# KiCad board sample018-programmable-led-panel.kicad_pcb (continued)
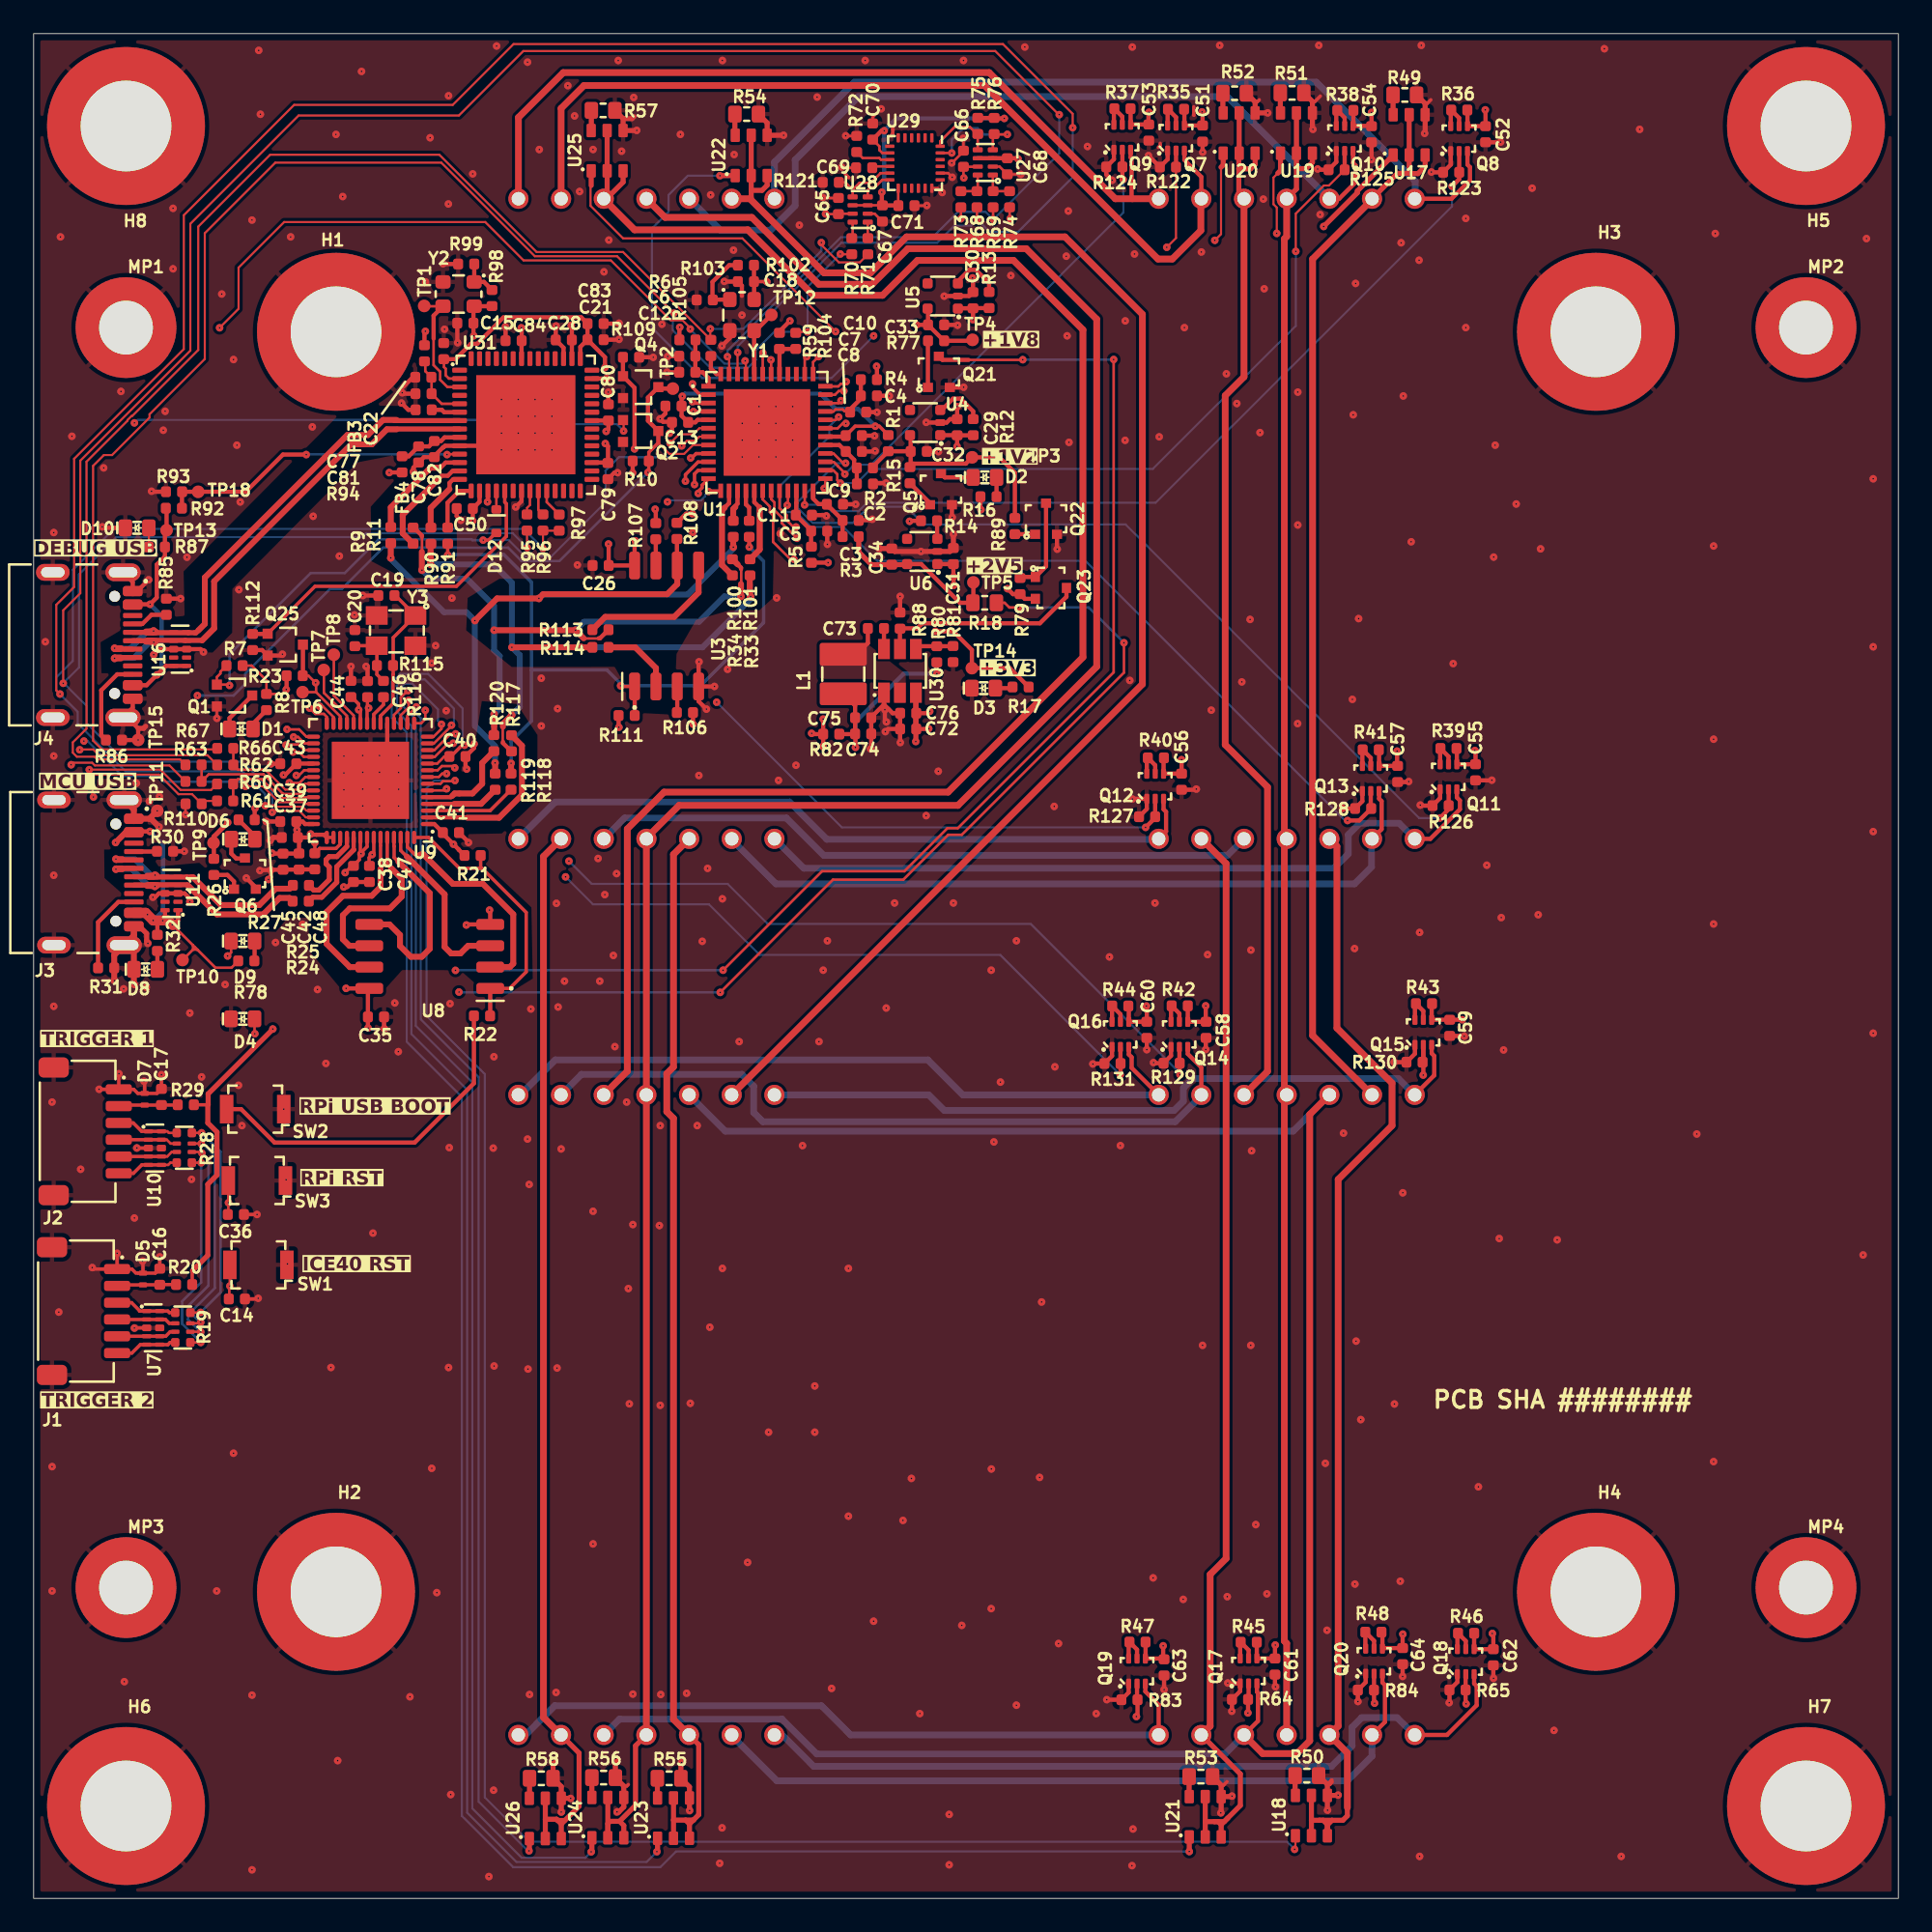
[diagram p0: board, top side]
## Routing (per net, layer and track width the routed paths; a pad name or vN(x,y) marks a point on that pad's centre or on a via; arc(x,y) is an arc through that point) (continued)
/FPGA/VPP_2V5: length 3.7
  Top w0.25: C3.2 R3.2 ; 47.22,83 46.72,83 46.4,83.32 U1.24 ; 48.16,82.04 47.22,82.97
/FPGA/~{FPGA_RESET}: length 81.4
  Top w0.125: U1.8 39.25,86.51 38.72,85.98 37.85,85.98 37.19,86.64
  Top w0.15: 11.65,35.68 11.65,36.42 v1(11.68,36.45) SW1.2
  Top w0.2: 37.19,86.64 36.62,86.08 R10.1 36.62,84.93 v1(36.57,84.88)
  Top w0.25: TP2.1 37.27,89.87 ; 37.19,86.64 Q2.3 36.57,87.96 36.57,89.34 Q4.3
  In3.Cu w0.15: v1(9.75,71.6) 9.75,54.26 11.15,52.86 11.15,36.98 v1(11.68,36.45)
  Bottom w0.15: v1(9.75,71.6) 11.9,71.6 12.6,72.3 12.6,72.9 17.65,77.95 18.35,77.95 20.8,80.4 28.25,80.4 29.04,79.61 31.3,79.61 v1(36.57,84.88)
/IMU/ICM_AD0: length 2.2
  Top w0.15: R72.1 49.35,103.59 50.34,103.59 50.44,103.5 50.97,103.5
/IMU/ICM_FSYNC_1V8: length 4.1
  Top w0.15: 48.75,101.71 49.16,102.12 49.84,102.12 50.41,102.69 50.41,102.69 U29.11 ; 48.75,101.71 48.31,102.15 R121.2 ; 48.75,101.71 U28.5
/IMU/ICM_FSYNC_R: length 0.9
  Top w0.15: U28.8 48.75,98.88
/IMU/ICM_INT1_1V8: length 2
  Top w0.15: U28.4 49.65,101.68 49.81,101.84 50.07,101.84 50.52,102.29 U29.12
/IMU/ICM_INT1_R: length 0.9
  Top w0.15: U28.1 49.65,98.83
/IMU/ICM_SCL: length 1.9
  Top w0.15: U27.1 57.1,101.64 ; R69.2 58.09,101.62
/IMU/ICM_SCL_1V8: length 6.8
  Top w0.15: 53.97,103.9 54.65,103.9 v1(54.65,103.89) ; v1(57.96,105) 57.19,105 ; U27.4 57.1,104.94
  Bottom w0.15: v1(54.65,103.89) 54.65,104.68 55.33,105.36 56.19,105.36 56.55,105 v1(57.96,105)
/IMU/ICM_SDA: length 1.9
  Top w0.15: R68.2 55.2,101.62 ; U27.8 56.2,101.67
/IMU/ICM_SDA_1V8: length 3.9
  Top w0.15: 56.15,105.03 55.73,105.44 54.82,105.44 53.97,104.59 U29.24 ; U27.5 56.2,105.02
/IMU/REGOUT: length 1
  Top w0.15: U29.10 50,103.09
/LED Matrix/ColumnDrive1: length 64.4
  Top w0.3: U12.13 81.18,102.68 81.88,102.68 ; 81.88,102.68 U17.2 U17.5 ; 81.88,102.68 81.89,102.67 82.4,102.67 82.83,103.1 U17.3
  Top w0.4: U13.13 76.13,51.37 76.13,97.58 79.67,101.12
/LED Matrix/ColumnDrive2: length 68.2
  Top w0.3: 76.06,4.65 U18.2 ; 76.06,4.65 U18.5 ; 76.06,4.65 76.53,4.65 ; 76.53,4.65 77.29,4.65 ; 76.53,4.65 76.76,4.65 77.01,4.4 77.01,4.17 ; 77.29,4.65 77.01,4.37 77.01,4.17 ; 77.29,4.65 77.93,4.65 78.2,4.92 78.2,5.41 ; 77.01,4.17 U18.3
  Top w0.4: U12.3 77.58,62.62 77.58,51.81 80.86,48.53 80.86,46 77.65,42.8 77.65,10.25 U13.3 78.2,8.66 78.2,5.41
/LED Matrix/ColumnDrive3: length 98.6
  Top w0.3: U19.5 U19.2 75.17,102.96 ; U12.11 75.17,101.75 75.17,102.96 ; 75.17,102.96 75.74,102.96 76.12,103.34 U19.3
  Top w0.4: U13.4 74.59,15.18 74.45,15.32 74.45,98.78 74.59,98.92 U12.11
/LED Matrix/ColumnDrive4: length 61.9
  Top w0.3: 71.74,102.95 71.74,101.48 ; 71.74,102.95 72.44,102.95 72.71,103.22 U20.3 ; 71.74,102.95 71.74,103.86 ; U20.5 U20.2
  Top w0.4: U13.10 73.45,49.23 73.45,66.15 70.93,68.67 70.93,89.45 72.05,90.57 U12.10
/LED Matrix/ColumnDrive5: length 66.4
  Top w0.3: 70.29,4.57 70.87,4.57 71.09,4.78 ; 70.29,4.57 69.74,4.57 ; 70.29,4.57 70.51,4.57 70.69,4.39 ; 71.09,4.78 71.83,5.53 71.83,7.41 U13.6 ; 71.09,4.78 70.69,4.39 ; 70.69,4.39 U21.3 ; U21.5 69.74,4.57 ; 69.74,4.57 U21.2
  Top w0.4: U12.6 70.98,61.59 70.98,20.23 70.03,19.28 70.03,10.25 U13.6
/LED Matrix/ColumnDrive6: length 91.1
  Top w0.3: 42.64,101.17 42.71,101.25 42.71,101.67 ; 42.71,101.67 43.36,101.67 43.66,101.97 U22.3 ; 42.71,101.67 U22.2 U22.5
  Top w0.4: U15.13 66,72.28 66,94.29 61.39,98.9 51.96,98.9 49.82,96.76 47.05,96.76 42.64,101.17 U14.13
/LED Matrix/ColumnDrive7: length 65
  Top w0.3: U23.3 39.04,4.43 ; 39.04,4.43 39.29,4.69 ; 39.04,4.43 38.81,4.66 ; 39.29,4.69 39.27,4.66 38.81,4.66 ; 39.29,4.69 39.59,4.98 39.59,9.15 U15.3 ; 38.09,4.66 U23.2 ; 38.09,4.66 U23.5 ; 38.09,4.66 38.81,4.66
  Top w0.4: U15.3 38.09,10.66 38.09,46.43 37.69,46.83 37.69,49.09 38.09,49.49 38.09,62.14 U14.3
/LED Matrix/ColumnDrive8: length 147.6
  Top w0.3: U24.3 35.13,4.34 34.88,4.59 ; 34.88,4.59 35.83,5.54 35.83,9.09 U15.4 ; 34.88,4.59 34.22,4.59 34.22,4.49 34.18,4.45 U24.2 U24.5
  Top w0.4: U15.4 36.47,63.11 38.42,65.06 55.02,65.06 63.28,73.32 63.28,94 59.08,98.2 52.04,98.2 49.92,96.08 46.73,96.08 42.75,100.06 37.59,100.06 U14.11
/LED Matrix/ColumnDrive9: length 106.7
  Top w0.3: U25.5 U25.2 34.14,101.37 ; 34.1,101.17 35.09,102.16 U25.3
  Top w0.4: U14.10 33.94,101.15 35.77,99.32 42.51,99.32 46.41,95.42 50.53,95.42 52.61,97.5 58.33,97.5 62.46,93.37 62.46,73.88 54.43,65.85 37.53,65.85 35.34,63.66 35.34,49.24 U15.10
/LED Matrix/ColumnDrive10: length 65.2
  Top w0.3: 31.41,4.43 31.13,4.71 ; 31.41,4.43 32.47,5.49 32.47,8.65 U15.6 ; 31.41,4.43 U26.3 ; 31.13,4.71 30.46,4.71 ; 31.13,4.71 31.2,4.64 31.62,4.64 ; 30.46,4.71 U26.5 ; 30.46,4.71 U26.2
  Top w0.4: U14.6 30.35,62.02 30.35,10.77 U15.6
/LED Matrix/RowDrive1: length 54.1
  Top w0.25: U12.9 69.51,102.47 68.5,103.48 Q7.3
  Top w0.4: 69.48,101.14 69.48,99.28 67.78,97.58 66.93,97.58 56.6,107.91 32.76,107.91 31.4,106.55 U14.9
/LED Matrix/RowDrive2: length 51.4
  Top w0.25: U12.14 84.4,101.17 85.5,102.27 85.5,103.05 85.35,103.2 85.35,104
  Bottom w0.4: U14.14 44.1,103.35 48.86,108.11 76.35,108.11 82.24,102.22 82.24,101.14
/LED Matrix/RowDrive3: length 50.1
  Top w0.25: 65.3,104.08 65.3,103.63 65.35,103.57 65.35,101.22 65.4,101.17
  Top w0.4: U12.8 64.39,101.17 56.88,108.68 31.53,108.68 28.86,106.01 U14.8
/LED Matrix/RowDrive4: length 130.7
  Top w0.25: U12.12 77.71,101.17 78.69,102.15 78.69,103.15 78.54,103.3 Q10.3
  In3.Cu w0.4: U12.5 77.58,68.6 77.58,100.72 U12.12
  Bottom w0.4: U12.12 71.04,107.25 49.1,107.25 45.33,103.48 45.33,100.76 43.87,99.3 40.89,99.3 U14.12 ; U14.5 35.18,64.31 44.81,64.31 47.03,62.09 71.07,62.09 U12.5
/LED Matrix/RowDrive5: length 45.7
  Top w0.25: Q11.3 84.72,65.53 84.9,65.35 84.9,64.83 83.14,63.07 U12.1
  Bottom w0.4: U12.1 81.28,64 78.94,64 78.25,63.31 78.25,62.18 77.4,61.32 45.85,61.32 U14.1
/LED Matrix/RowDrive6: length 42.6
  Top w0.25: Q12.3 67.26,64.83 67.41,64.68 67.41,63.51 U12.7
  Bottom w0.4: U14.7 31.05,65.26 45,65.26 47.22,63.04 67,63.04
/LED Matrix/RowDrive7: length 44.2
  Top w0.25: 80.09,65.91 80.09,65.46 80.24,65.31 80.24,63.64 U12.2
  Bottom w0.4: U14.2 41.56,63.02 44.19,60.39 78.63,60.39 79.64,61.4 79.64,62.82
/LED Matrix/RowDrive8: length 44.5
  Top w0.25: U13.9 69.51,49.46 68.7,50.27 Q14.3
  Bottom w0.4: U15.9 32.61,49.05 42.16,49.05 42.87,48.34 42.87,46.78 43.41,46.23 67.96,46.23 69.51,47.78
/LED Matrix/RowDrive9: length 43.7
  Top w0.25: U13.14 83.37,48.99 83.37,50.15 83.22,50.3 83.22,50.8
  Bottom w0.4: U15.14 53.28,47.83 54.21,46.9 67.89,46.9 68.44,47.46 68.44,48.24 69,48.8 81.24,48.8 U13.14
/LED Matrix/RowDrive10: length 43.3
  Top w0.25: 65.19,50.68 65.19,50.24 65.36,50.07 65.36,49.44 U13.8
  Bottom w0.4: U13.8 55.31,47.83 53.23,49.91 31.05,49.91 28.97,47.83
/LED Matrix/RowDrive11: length 126.8
  Top w0.25: Q17.3 72.82,12.29 72.88,12.23 72.88,10.56 U13.5
  Top w0.4: U13.12 75.96,46.66 75.96,9.38 75.2,8.62 73.16,8.62 U13.5
  Bottom w0.4: U13.12 74.97,45.67 41.17,45.67 U15.12 ; U15.5 34.87,10.67 44.55,10.67 46.62,8.6 70.92,8.6 72.07,9.75
/LED Matrix/RowDrive12: length 47.1
  Top w0.25: Q18.3 85.75,12.79 85.9,12.64 85.9,11.5 84.13,9.73 U13.1
  Bottom w0.4: 44.54,9.75 46.43,7.86 77.26,7.86 78.48,9.08 78.48,10.19 79.05,10.76 81.16,10.76 82.19,9.73 U13.1
/LED Matrix/RowDrive13: length 42.9
  Top w0.25: U13.7 66.97,11.52 66.18,12.31 66.18,12.78
  Bottom w0.4: U15.7 29.28,9.73 31.02,11.47 46.89,11.47 48.63,9.73 U13.7
/LED Matrix/RowDrive14: length 45
  Top w0.25: Q20.3 80.29,12.85 80.44,12.7 80.44,10.5 U13.2
  Bottom w0.4: 79.67,9.53 79.67,8.47 78.2,7 44.24,7 41.55,9.69 U15.2
/MCU/BOOTSEL: length 21
  Top w0.25: R22.1 26.21,48.52 22.68,44.99 14.34,44.99 12.35,46.98 SW2.2
/MCU/GPIO24: length 6.5
  Top w0.125: U9.36 16.15,66.35 15.8,66 14.98,66 14.02,66.96
  Top w0.15: 14.02,66.96 13.79,67.19 12.17,67.19 R62.1 R66.2
/MCU/GPIO25: length 8.4
  Top w0.125: U9.37 16.1,65.95 15.9,65.75 14.84,65.75
  Top w0.15: R67.2 R63.1 10.43,66.91 13.68,66.91 14.83,65.76 14.84,65.76
/MCU/GPIO26: length 6.4
  Top w0.125: 13.75,66.46 14.7,65.5 16.05,65.5 16.1,65.55 U9.38
  Top w0.15: 13.75,66.46 13.58,66.62 12.16,66.62 R60.1 R61.2
/MCU/MCU_RST: length 46.9
  Top w0.15: R23.2 16.36,72.78 16.82,72.32 16.82,72.32 16.82,71.8 ; U9.26 18.25,70.37 16.82,71.8 ; 11.59,42.73 11.59,40.72 ; v1(11.6,41.41) 11.6,42.72 ; 16.82,71.8 TP6.1
  Top w0.25: Q25.3 16.03,72.79
  In3.Cu w0.15: v1(16.79,72.36) 16.42,72.36 15.21,71.15 10.87,71.15 10.3,70.58 10.3,54.36 11.59,53.07 11.59,41.42 v1(11.6,41.41)
/MCU/QSPI_CSn: length 17
  Top w0.2: 26.6,61.31 25.34,61.31 23.51,63.15 U9.56 ; 26.6,61.31 26.69,61.31 29.32,58.69 29.32,55.15 28.34,54.16 U8.1 ; 26.6,61.31 26.61,61.32 R21.2
  Top w0.25: U8.1 27.18,52.54
/MCU/QSPI_SCLK: length 12.1
  Top w0.2: 21.27,61.34 21.05,61.56 U9.52
  Top w0.254: 21.91,60.28 21.91,60.7
  Top w0.3: 21.91,59.63 21.91,60.28
  Top w0.35: U8.6 18.8,56.7 18.41,57.09 18.41,58.52 18.82,58.93 21.21,58.93 21.91,59.63 21.91,60.7 21.27,61.34
/MCU/QSPI_SD0: length 15.1
  Top w0.2: 21.72,61.71 21.46,61.96 21.46,62.62 21.45,62.63 U9.53
  Top w0.25: 22.5,60.92 21.72,61.71
  Top w0.3: 22.5,60.92 23.58,59.84
  Top w0.35: 21.72,61.71 23.58,59.84 23.58,56.52 23.11,56.05 22.45,56.05 21.81,56.69 21.81,57.35 21.19,57.97 U8.5
/MCU/QSPI_SD1: length 15.4
  Top w0.2: 23.2,62.14 23.4,61.94 ; 23.03,62.14 22.69,62.14 22.25,62.58 U9.55
  Top w0.3: 24.95,60.39 23.4,61.94
  Top w0.35: 23.03,62.14 23.2,62.14 24.95,60.39 26.74,60.39 28.55,58.58 28.55,55.64 28.34,55.44 U8.2
/MCU/QSPI_SD2: length 13.8
  Top w0.2: 22.21,62.01 21.85,62.38 U9.54
  Top w0.25: 22.85,61.37 22.21,62.01
  Top w0.3: 22.85,61.37 24.46,59.76
  Top w0.35: 22.21,62.01 24.46,59.76 24.46,56.64 24.85,56.25 25.41,56.25 25.86,56.7 U8.3
/MCU/QSPI_SD3: length 11.8
  Top w0.2: 20.65,61.28 U9.51
  Top w0.35: U8.7 18.82,55.44 17.44,56.82 17.44,58.71 18.41,59.68 20.13,59.68 20.65,60.2 20.65,61.28
/MCU/SWCLK: length 4.6
  Top w0.15: TP8.1 17.87,71.59 19.05,70.41 U9.24
/MCU/SWDIO: length 3.7
  Top w0.15: U9.25 18.65,70.39 17.28,71.76 17.28,73.11
/MCU/USB.D+: length 15.6
  Top w0.3: v1(4.9,61.26) 4.95,61.31 5.98,61.31 ; 5.98,60.32 6.84,60.32 6.86,60.34 7.18,60.34 ; 7.18,60.34 7.18,60.26 ; 7.18,60.34 9.11,60.34
  Top w0.35: R24.1 15.23,59.55 14.64,59.55 13.66,58.57 10.92,58.57 9.18,60.31
  Top w0.4: 6.99,60.29 7.34,60.29 ; 5.27,61.29 4.93,61.29 v1(4.9,61.26) ; 6.77,60.29 7.12,60.29
  Bottom w0.35: v1(7.22,60.23) 7.16,60.29 6.81,60.29 5.82,61.29 4.92,61.29 v1(4.9,61.26)
/MCU/USB.D-: length 15.6
  Top w0.3: 5.98,61.81 4.95,61.81 v1(4.9,61.87) ; 9.48,60.79 9.38,60.79 9.38,60.79 9.11,60.79 9.11,60.79 6.86,60.79 6.84,60.82 5.98,60.82
  Top w0.35: 9.48,60.79 11.14,59.13 13.44,59.13 14.41,60.1 15.23,60.1 R25.1
  Top w0.4: 6.99,60.85 7.34,60.85 ; 6.77,60.85 7.12,60.85 ; 5.27,61.84 4.93,61.84 v1(4.9,61.87)
  Bottom w0.35: v1(7.23,60.91) 7.16,60.84 7.04,60.84 6.05,61.84 4.92,61.84 v1(4.9,61.87)
/MCU/USB_D+: length 5.2
  Top w0.25: 19.05,62.42 U9.47
  Top w0.3: 19.05,62.42 19.05,62.41 18.04,61.41 18.04,60.48 17.16,59.59 16.62,59.59 R24.2
/MCU/USB_D-: length 5
  Top w0.25: U9.46 18.65,62.61
  Top w0.3: 18.65,62.61 18.05,62.01 17.59,62.01 17.41,61.83 17.41,61.58 17.6,61.39 17.6,60.64 16.98,60.02 16.67,60.02 R25.2
/MCU/XIN: length 9
  Top w0.2: 21.54,77.55 Y3.1 21.4,75.04 21.4,72.86 21.4,72.85 21.4,71.13 20.65,70.39 U9.20
/MCU/XOUT: length 1.8
  Top w0.2: U9.21 20.25,70.48 20.82,71.06 20.82,71.5
/MCU/XOUT_R: length 3.5
  Top w0.2: R116.1 20.44,72.85 R115.2 20.44,74.55 ; Y3.3 19.16,74.56
/Supply/FB_3V3: length 2
  Top w0.25: 52.69,74.53 R80.1 54.72,74.53
/Supply/OUT_3V3: length 12.6
  Top w0.25: v1(48.92,68.51) 48.92,69.3 ; C74.2 C75.2 48.9,71 L1.2 ; R80.2 53.76,72.91 v1(53.77,72.9) ; R82.1 48.88,69.3
  Bottom w0.25: v1(48.92,68.51) 48.92,70.03 51.79,72.9 v1(53.77,72.9)
/Supply/SW_3V3: length 1.8
  Top w0.25: 48.99,74.05 49.66,74.72 C73.2
/Trigger Connector 1/CAM_TRIG: length 3.7
  Top w0.2: J1.3 5.83,35.46 6.31,34.98 6.31,34.96 U7.1 U7.10 7.99,34.96 8.08,34.87 R19.1
/Trigger Connector 1/EXT_TRIG1: length 3.6
  Top w0.2: R19.3 8.13,33.73 7.86,33.46 U7.7 U7.4 4.97,33.46
/Trigger Connector 1/EXT_TRIG2: length 3.7
  Top w0.2: J1.6 5.85,32.46 6.35,32.96 U7.5 U7.6 7.99,32.96 7.99,32.96 8.12,33.09 R19.4
/Trigger Connector 1/LED_TRIG: length 3.6
  Top w0.2: R19.2 8.08,34.23 7.85,34.46 U7.9 U7.2 J1.4
/Trigger Connector 2/CAM_TRIG: length 3.7
  Top w0.15: 8.48,45.57 8.05,45.57 7.96,45.66 U10.10
  Top w0.2: J2.3 5.93,46.16 6.43,45.66 U10.1 U10.10
/Trigger Connector 2/EXT_TRIG1: length 3.5
  Top w0.15: U10.7 7.95,44.16 8.22,44.43 8.48,44.43
  Top w0.2: U10.7 U10.4 5.07,44.16
/Trigger Connector 2/EXT_TRIG2: length 3.7
  Top w0.15: U10.6 8.01,43.66 8.14,43.79 R28.4
  Top w0.2: J2.6 5.94,43.16 6.44,43.66 U10.5 U10.6
/Trigger Connector 2/LED_TRIG: length 3.5
  Top w0.15: U10.9 7.93,45.16 8.16,44.93 8.48,44.93
  Top w0.2: U10.9 U10.2 J2.4
/USB/CC_{1}: length 1.4
  Top w0.25: J3.A5 7.33,62.31
/USB/CC_{2}: length 5.3
  Top w0.25: 5.97,59.31 5.05,59.31 3.84,58.11 R31.1
/USB_FTDI/ADBUS0: length 6.4
  Top w0.25: U31.12 24.53,85.47 24.22,85.16 24.16,85.16
  Top w0.35: R9.1 21.26,82.8 23.62,85.16 24.16,85.16
/USB_FTDI/ADBUS1: length 6.4
  Top w0.25: 23.99,84.38 24,84.38 24.3,84.68 24.65,84.68 24.94,84.97 U31.13
  Top w0.35: 23.99,84.38 21.97,82.36 21.97,81.25 R11.1
/USB_FTDI/ADBUS2: length 3.8
  Top w0.25: U31.14 24.97,84.47 24.75,84.25 24.75,83.88
  Top w0.35: 24.75,83.88 23.63,82.76 23.63,81.64
/USB_FTDI/ADBUS3: length 3.2
  Top w0.25: U31.15 25.34,83.78 24.64,83.07 24.64,81.61
/USB_FTDI/ADBUS4: length 16.5
  Top w0.25: v1(35.77,86.28) 35.77,89.92 35.08,90.6 ; 35.08,91.74 35.08,90.61 ; v1(27.02,83.12) 27.04,83.15 U31.17
  In3.Cu w0.15: v1(35.77,86.28) 35,86.28 34.69,85.97 33.07,85.97 31.16,84.06 27.96,84.06 v1(27.02,83.12)
/USB_FTDI/ADBUS5: length 1.1
  Top w0.15: D12.1 27.55,83.78
/USB_FTDI/ADBUS6: length 20.2
  Top w0.2: U31.19 28.04,83.11 28.14,83.01 28.14,81.07 25.17,78.1 16.75,78.1 Q25.1
  Top w0.25: R112.2 13.91,75.26
/USB_FTDI/BDBUS0: length 1.5
  Top w0.125: 29.54,82.94 29.37,82.77 R95.1
  Top w0.15: 29.54,82.94 U31.22
/USB_FTDI/BDBUS1: length 1.5
  Top w0.15: U31.23 30.04,82.66 R96.1
/USB_FTDI/BDBUS2: length 1.7
  Top w0.15: U31.24 30.54,83.11 R97.1
/USB_FTDI/CC_{1}: length 2.2
  Top w0.25: R85.1 7.02,76.4 6.47,75.86 J4.A5
/USB_FTDI/CC_{2}: length 5.3
  Top w0.25: R86.1 4.03,69.23 4.03,71.91 4.98,72.86 J4.B5
/USB_FTDI/FTDI_D_N: length 31.5
  Top w0.3: 7.1,75.34 7.1,75.41 ; 7.1,75.34 6.78,75.34 6.76,75.36 J4.B7 ; 7.1,75.34 9.21,75.34 9.21,75.34 9.67,75.34 9.81,75.48 ; 25.36,87.97 21.46,87.97 ; v1(4.82,74.42) 4.88,74.36 J4.A7
  Top w0.35: 21.61,88 20.8,88 19.91,87.11 18.68,87.11 10.19,78.62 10.19,75.86 9.81,75.48
  Top w0.4: 6.91,75.38 7.26,75.38 ; 6.69,75.38 7.04,75.38 ; 5.19,74.39 4.85,74.39 v1(4.82,74.42)
  Bottom w0.35: v1(7.14,75.44) 7.09,75.39 6.74,75.39 5.74,74.39 4.85,74.39 v1(4.82,74.42)
/USB_FTDI/FTDI_D_P: length 31.2
  Top w0.3: 10.03,74.88 10.03,74.88 9.04,74.88 9.03,74.88 6.78,74.88 6.76,74.86 J4.A6 ; U31.8 21.67,87.47 ; J4.B6 4.87,73.86 v1(4.82,73.81)
  Top w0.35: 10.03,74.88 10.75,75.6 10.75,78.4 18.9,86.55 20.13,86.55 21.03,87.45 21.61,87.45
  Top w0.4: 5.19,73.84 4.85,73.84 v1(4.82,73.81) ; 6.69,74.83 7.04,74.83 ; 6.91,74.83 7.26,74.83
  Bottom w0.35: v1(4.82,73.81) 4.85,73.84 5.97,73.84 6.97,74.83 7.09,74.83 v1(7.15,74.77)
/USB_FTDI/OSCI: length 7.2
  Top w0.15: Y2.3 23.27,94.77 ; U31.3 24.63,89.97 24.2,90.4 24.2,90.88 23.81,91.27 23.81,92.85
  Top w0.25: Y2.3 23.81,94.21 23.81,92.85
/USB_FTDI/VPHY: length 4
  Top w0.15: C77.1 23.31,90.91 23.31,91.49 ; 23.69,90.53 C81.1 24.29,88.97 U31.5
/USB_FTDI/VPLL: length 3.9
  Top w0.25: U31.9 24.47,86.97 24.25,86.75 C82.2 23.53,86.43 C78.2 22.32,85.84 FB4.2
/USB_FTDI/VREGOUT: length 23.1
  Top w0.15: U31.2 24.72,90.47 24.53,90.66 24.53,91.05 24.43,91.16 24.43,91.52
  Top w0.25: C21.1 32.54,92.35 U31.43 ; C21.1 34.01,91.74 v1(34.01,91.12) ; C21.1 C83.1 32.59,94.11 27.97,94.11 27.6,93.75 27.6,93.74 26.41,92.53 26.03,92.53 25.11,91.62 C22.1 ; 34.19,85.44 34.19,86.44 v1(34.03,86.6) ; U31.31 34.16,85.47
  In2.Cu w0.4: v1(34.03,86.6) 34.02,86.6 33.39,87.23 33.39,90.55 33.96,91.12 v1(34.01,91.12)
/USB_FTDI/~{FT_RST}: length 18.4
  Top w0.15: U31.11 24.63,85.97 v1(24.61,85.94)
  Top w0.25: v1(16.23,85.94) 14.84,85.94 12.63,83.73 R93.2 ; R92.1 8.83,83.72
  Bottom w0.15: v1(16.23,85.94) 16.24,85.95 24.6,85.95 v1(24.61,85.94)
Net-(D1-A): length 1.1
  Top w0.25: R8.1 13.06,69.93
Net-(D1-C): length 2.5
  Top w0.25: Q1.3 11.66,70.25 D1.1
Net-(D2-A): length 1.1
  Top w0.25: R16.2 57.32,84.58
Net-(D2-C): length 2
  Top w0.25: Q5.3 54.24,84.58 D2.1
Net-(D3-A): length 0.9
  Top w0.25: D3.2 58.2,72.04
Net-(D4-A): length 71.9
  Top w0.15: v1(40.87,53.93) 47.58,60.64 51.77,60.64 54.44,63.31 55.25,63.31 64.9,72.96 v1(64.9,74.74) ; v1(58.62,76.84) 58.08,76.84 57.8,77.12 R18.1 ; D4.2 13.15,51.49 v1(13.17,51.47)
  In3.Cu w0.15: v1(25.32,53.95) 20.4,53.95 19.64,53.19 14.89,53.19 v1(13.17,51.47)
  Bottom w0.15: v1(40.87,53.93) 25.34,53.93 v1(25.32,53.95) ; v1(64.9,74.74) 62.8,76.84 v1(58.62,76.84)
Net-(D6-A): length 1.4
  Top w0.25: 13.17,63.23 R27.1
Net-(D6-C): length 1.8
  Top w0.25: 12.6,61.9 12.06,61.9 11.77,62.19 D6.1
Net-(D8-A): length 1.1
  Top w0.25: D8.2 7.37,56.4
Net-(D9-A): length 1.2
  Top w0.25: D9.2 13.15,55.82
Net-(D9-C): length 90.5
  Top w0.15: v1(64.29,91.6) 64.29,72.98 55.01,63.7 54.39,63.7 51.83,61.14 46.93,61.14 v1(41.04,55.25) ; 55.65,91.58 58.87,91.58 v1(58.88,91.59) ; v1(11.55,56.1) 11.75,56.3 D9.1
  Top w0.25: 55.65,91.58 54.1,91.58 Q21.3
  In3.Cu w0.15: v1(25.11,55.24) 12.41,55.24 v1(11.55,56.1)
  Bottom w0.15: v1(64.29,91.6) 64.28,91.59 v1(58.88,91.59) ; v1(41.04,55.25) 25.12,55.25 v1(25.11,55.24)
Net-(D10-A): length 1.1
  Top w0.125: D10.2 6.86,80.44
Net-(Q2-G): length 63
  Top w0.125: v1(35.12,87.35) 35.12,87.96 ; v1(3.56,65.56) 3.51,65.61 3.51,66.8 3.6,66.89 7.46,66.89 8.62,65.73 9.43,65.73 R110.2 ; R61.1 10.18,65.32
  In2.Cu w0.125: v1(3.56,65.56) 3.81,65.81 3.81,69.28 3.38,69.71 3.38,85.2 6,87.82 v1(6,87.83)
  Bottom w0.125: v1(35.12,87.35) 34.72,87.75 27.74,87.75 27.48,88 6.18,88 v1(6,87.83)
Net-(Q5-B): length 1.7
  Top w0.25: 53.36,83.04 R15.1
Net-(Q6-B): length 1.8
  Top w0.25: R26.1 11.54,60.92 11.93,60.53 Q6.1
Net-(Q7-D1): length 2.1
  Top w0.25: R35.2 68,106.02 Q7.5 ; Q7.6 67.5,106.48
Net-(Q8-D1): length 2.1
  Top w0.25: Q8.6 84.35,106.42 ; R36.2 84.85,105.98 Q8.5
Net-(Q9-D1): length 2.1
  Top w0.25: R37.2 64.8,106.06 64.8,105.58 ; 64.3,105.58 64.3,106.5
Net-(Q10-D1): length 2
  Top w0.25: Q10.5 78.04,105.99 R38.2 ; Q10.6 77.54,106.37
Net-(Q11-D1): length 2.1
  Top w0.25: Q11.6 83.72,68.43 ; Q11.5 84.22,67.97 R39.2
Net-(Q12-D1): length 2
  Top w0.25: Q12.6 66.26,67.83 ; R40.2 66.76,67.45 Q12.5
Net-(Q13-D1): length 2.1
  Top w0.25: R41.2 79.59,67.89 79.59,67.41 ; 79.09,67.41 79.09,68.35
Net-(Q14-D1): length 2.1
  Top w0.25: 67.7,52.18 67.7,53.09 ; 68.2,52.18 68.2,52.67 R42.2
Net-(Q15-D1): length 2
  Top w0.25: 82.22,52.3 82.22,53.2 ; R43.2 82.72,52.82 82.72,52.3
Net-(Q16-D1): length 2.1
  Top w0.25: 64.69,52.18 64.69,52.63 R44.2 ; 64.19,52.18 64.19,53.11
Net-(Q17-D1): length 2.1
  Top w0.25: Q17.5 72.32,14.78 R45.2 ; Q17.6 71.82,15.22
Net-(Q18-D1): length 2
  Top w0.25: Q18.5 85.25,15.32 84.79,15.78 ; Q18.6 84.75,15.74
Net-(Q19-D1): length 2.1
  Top w0.25: R47.2 65.68,14.81 65.68,14.28 ; 65.18,14.28 65.18,15.21
Net-(Q20-D1): length 2.2
  Top w0.25: Q20.5 79.79,15.33 R48.2 79.27,14.89
Net-(Q21-B): length 2.8
  Top w0.25: Q21.1 53.23,92.71
Net-(Q22-B): length 1.2
  Top w0.25: R89.1 59.61,81.21
Net-(Q22-C): length 5.5
  Top w0.25: Q22.3 60.26,79.29 Q23.1 58.78,78.66
Net-(U1-IOB_4A): length 1.5
  Top w0.25: 40.9,90.74 40.65,90.74 40.31,91.06 R105.2
Net-(U1-IOB_32A_SPI_SO): length 5.8
  Top w0.25: 40.93,82.58 41.4,83.05 U1.14
  Top w0.35: R33.2 40.97,79.37 40.97,82.63 41.13,82.79
Net-(U1-IOB_33B_SPI_SI): length 7.8
  Top w0.25: U1.17 42.9,83.11 43.26,82.75 43.26,80.32 R34.2
  Top w0.35: R34.2 43.22,80.28 43.22,82.79
Net-(U1-IOB_34A_SPI_SCK): length 2.8
  Top w0.25: R100.2 41.65,82.76 41.9,83.02 U1.15
  Top w0.35: 41.77,82.82 41.65,82.69 R100.2
Net-(U1-IOB_35B_SPI_SS): length 1.9
  Top w0.25: U1.16 42.4,82.98 42.59,82.78 R101.2
Net-(U1-RGB2): length 2.5
  Top w0.25: R59.1 R104.2 ; 44.4,90.74 44.4,92.22
Net-(U3-SI/IO0): length 8.8
  Top w0.35: R113.2 34.03,76.28 38.13,76.28 39.58,77.73 U3.5
Net-(U3-SO/IO1): length 4.4
  Top w0.35: R114.2 35.81,74.47 37.04,73.24 37.04,72.14
Net-(U3-~{HOLD}/IO3): length 1.6
  Top w0.25: R107.1 37.03,79.35
Net-(U3-~{WP}/IO2): length 1.5
  Top w0.25: 38.31,72.14 38.31,70.61
Net-(U9-GPIO0): length 10
  Top w0.25: U9.2 25.79,64.35 25.82,64.32
  Top w0.35: 25.82,64.32 27.71,64.32 29.07,65.69 29.07,68.61 28.45,69.23
Net-(U9-GPIO1): length 5.5
  Top w0.2: R118.1 27.18,64.75 U9.3
Net-(U9-GPIO2): length 4.8
  Top w0.25: 25.51,65.15 U9.4
  Top w0.35: 27.47,65.99 26.63,65.15 25.04,65.15
Net-(U9-GPIO3): length 6
  Top w0.25: 25.06,65.77 24.84,65.55 U9.5
  Top w0.35: R120.1 26.7,67.59 26.7,66.35 26.12,65.77 25.06,65.77 24.91,65.62
Net-(U17-R_{EXT}): length 1.2
  Top w0.3: R49.2 80.92,106.18
Net-(U18-R_{EXT}): length 1.2
  Top w0.3: R50.2 75.09,6.15
Net-(U19-R_{EXT}): length 1.2
  Top w0.3: R51.2 74.21,106.29
Net-(U20-R_{EXT}): length 1.1
  Top w0.3: R52.2 70.79,106.3
Net-(U21-R_{EXT}): length 1.2
  Top w0.3: R53.2 68.78,6.07
Net-(U22-R_{EXT}): length 1.2
  Top w0.3: R54.2 41.74,104.97
Net-(U23-R_{EXT}): length 1.2
  Top w0.3: R55.2 37.13,5.99
Net-(U24-R_{EXT}): length 1.2
  Top w0.3: R56.2 U24.6
Net-(U25-R_{EXT}): length 1.2
  Top w0.3: R57.2 33.2,105.24
Net-(U26-R_{EXT}): length 1.2
  Top w0.3: R58.2 29.52,5.97
Net-(U30-BST): length 1.2
  Top w0.25: U30.6 50.62,75.59
Net-(U31-REF): length 1.7
  Top w0.25: U31.6 24.44,88.47 24.3,88.6 R94.1
Net-(Y1-EN): length 4
  Top w0.25: 41.43,95.16 40.41,95.16 40.41,96.22 41.4,97.22 R102.1
Net-(Y2-EN): length 2.3
  Top w0.25: R98.1 26.81,96.22 Y2.1 ; R99.2 26.23,96.23

## Copper pours and planes (outline as drawn; the poured copper is in the pictures)
+1V1 on Bottom: 11.5,71.5 20.5,71.5 20.5,62 11.5,62
+1V8 on In2.Cu: 52,93 53.5,93 61,99 61,106.5 60,107.5 49.5,107.5 49.5,100.5 52,100.5 54,103 59.5,103 59.5,100.5 52,94
+3V3 on In2.Cu: 20.82,51 30.5,60.66 40.65,60.73 54.07,74.15 54.07,94.53 59.41,99.87 59.41,103.51 56.93,106 50.17,106 43.57,99.4 28.57,99.4 15.44,86.27 15.44,73.38 12.77,70.71 12.68,51
GND on Top, Bottom, In1.Cu, In2.Cu, In3.Cu, In4.Cu: -2.15,113.4 114.05,113.4 114.05,1.45 109.45,-3.15 0.8,-3.15 -2.15,-0.2
VBUS on In2.Cu: 12.5,64.5 3.5,64.5 3.5,43 32.5,13.5 87.7,14 87.5,108.5 67.5,108.5 54.09,94.57 54.09,74.15 40.64,60.7 30.36,60.7 20.82,51.16 12.5,51.16
/Supply/SW_3V3 on Top: 51.92,72.88 51.92,71.16 51.22,71.16 51.22,72.36 51.04,72.49 49.59,72.59 46.79,72.59 46.79,74.74 49.59,74.71

## Text on the board
B.Silkscreen: Row 14 | Row 1 | Column 10 | Column 1
F.Mask: LED Panel / Rev. ${REVISION} 01/2025
F.Silkscreen: PCB SHA ######## | +2V5 | +3V3 | +1V2 | +1V8 | DEBUG USB | MCU USB | TRIGGER 1 | TRIGGER 2 | RPi USB BOOT | RPi RST | ICE40 RST
